# Altium PCB pcb.PcbDoc
Units mm, origin at the board's own origin, x right, y up, seen from the top; angles counter-clockwise.
Board outline 21 x 26.75 mm, 2 copper layers (Top Layer, Bottom Layer), stack 1.27 mm thick; 25 components, 14 nets, 55 pads, 5 vias.
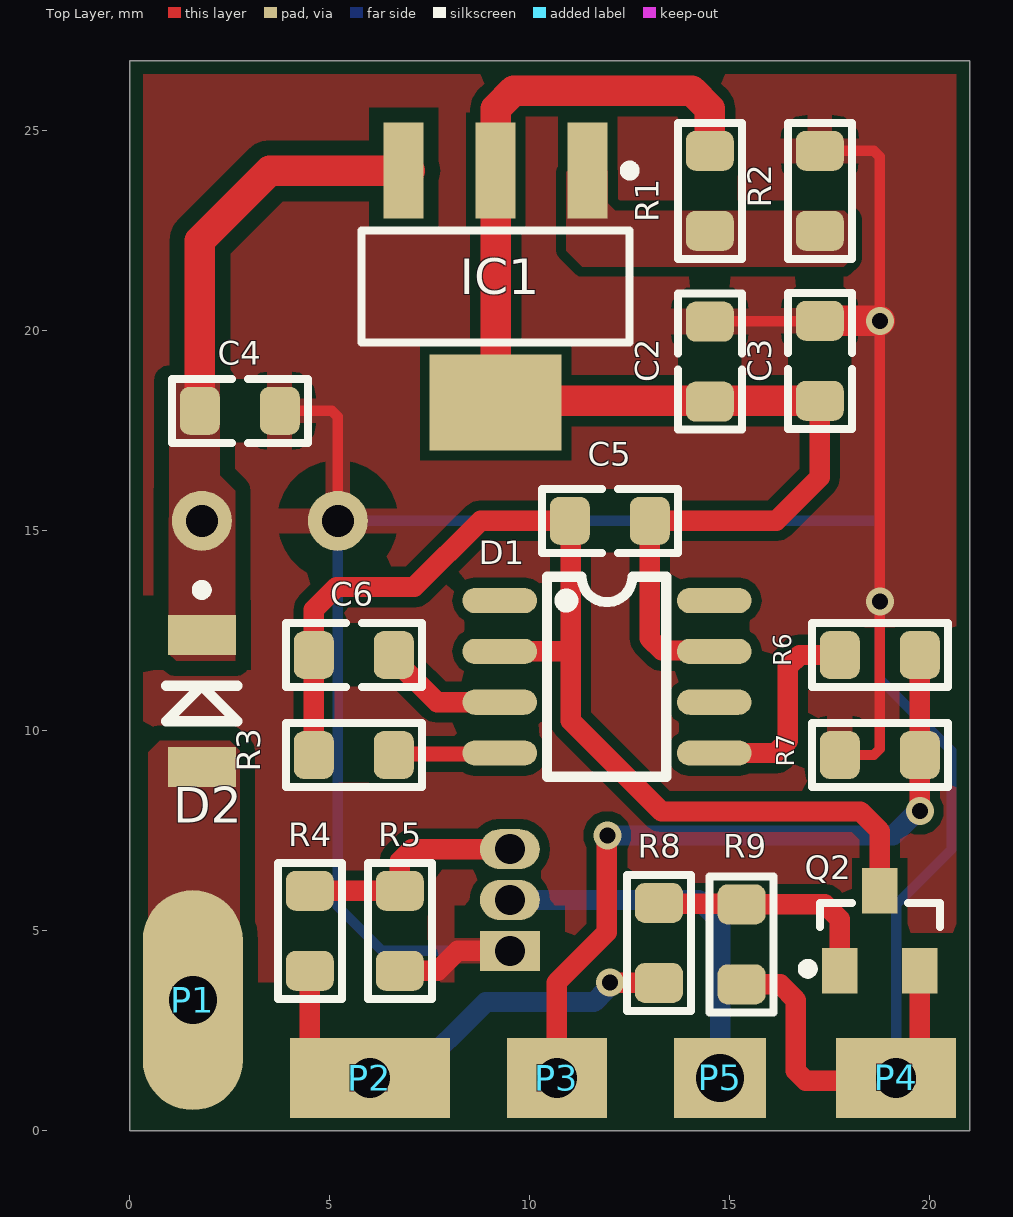
[diagram p0: Top Layer view]
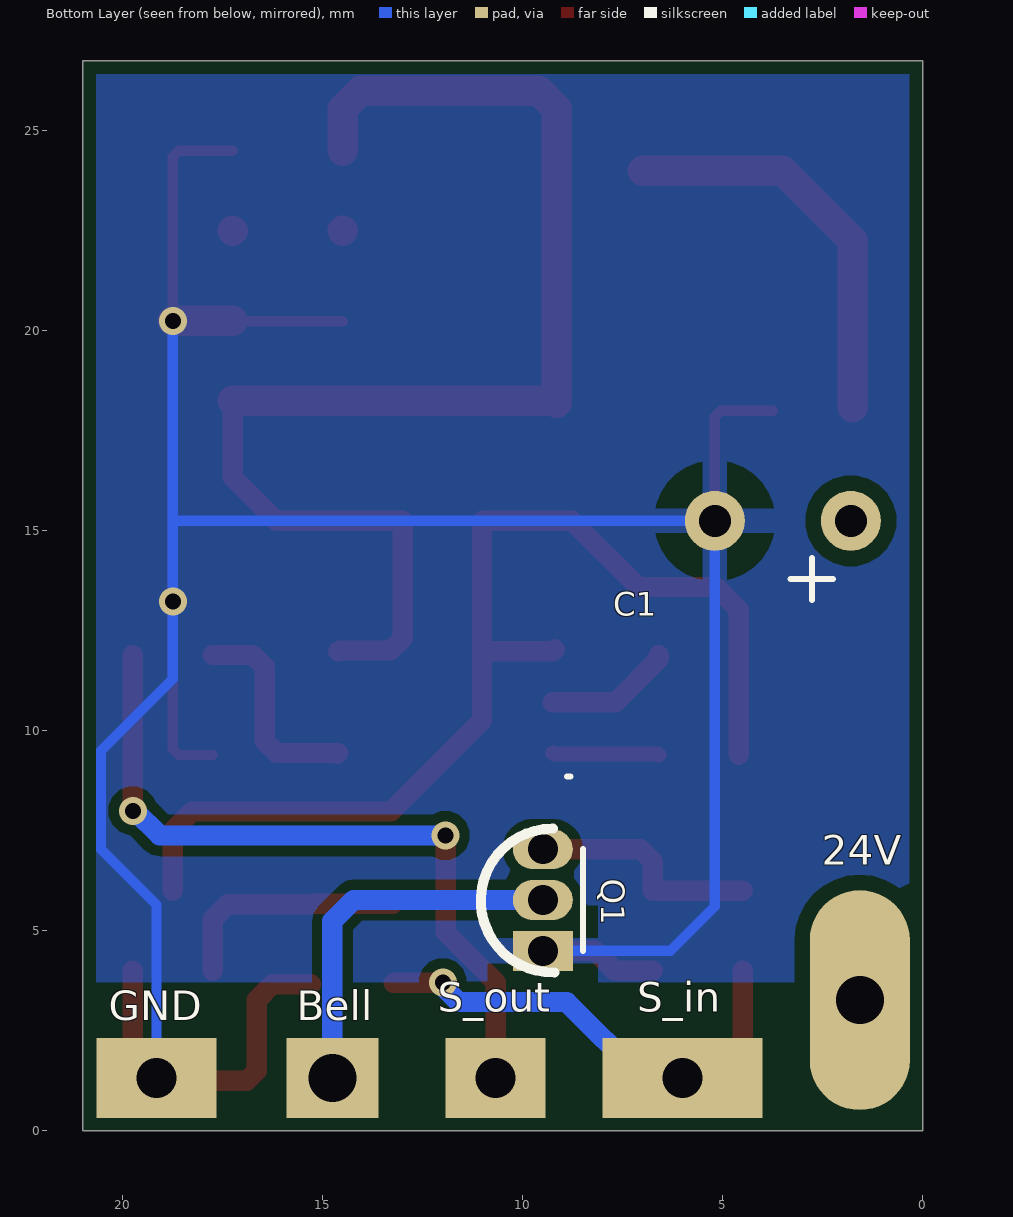
[diagram p1: Bottom Layer view, seen from below]
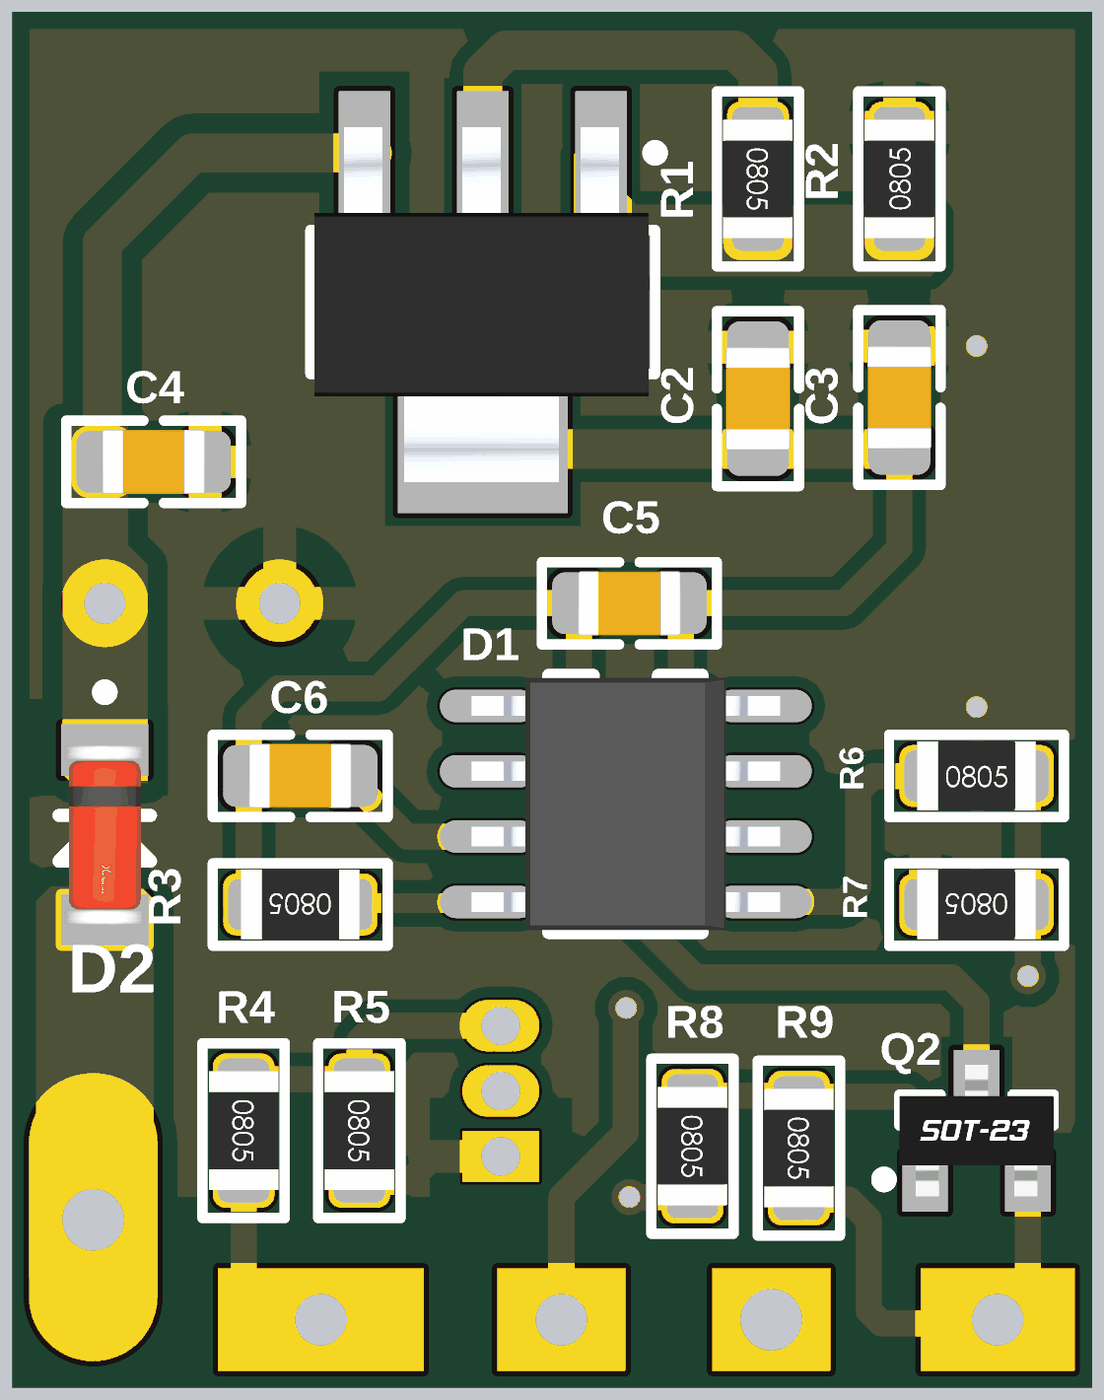
[diagram p2: 3D render of the assembled board from above, using the file's embedded part models]

## Layer stack, top to bottom
Top Solder: solder mask 0.01, Solder Resist, Dk 3.5
Top Layer: signal copper 0.035
Dielectric 1: dielectric 1.2, FR-4, Dk 4.8
Bottom Layer: signal copper 0.035
Bottom Solder: solder mask 0.01, Solder Resist, Dk 3.5

## Board outline
0,0 0,26.75 21,26.75 21,0

## Design rules (kind name [scope] priority, off if disabled: settings)
Clearance +24V [InNet('+24')] p1: gap=0.254 ignorepadtopadclearanceinfootprint=TRUE except(0.381: Arc-Poly Track-Poly SMDPad-Poly THPad-Poly Via-Poly Fill-Poly Poly-Poly)
Clearance NetC1 [InNet('NetC1_1')] p2: gap=0.254 ignorepadtopadclearanceinfootprint=TRUE except(0.381: Arc-Poly Track-Poly SMDPad-Poly THPad-Poly Via-Poly Fill-Poly Poly-Poly)
Clearance [All] p3: gap=0.254 ignorepadtopadclearanceinfootprint=TRUE
Height [All] p1: minheight=0 maxheight=40 prefheight=12.7
HoleSize [All] p1: absolutevalues=TRUE maxlimit=6 minlimit=0.1 maxpercent=80.000 minpercent=20.000
MinimumSolderMaskSliver [All] p1: minsoldermaskwidth=0.025
PlaneConnect [All] p1: planeconnectstyle=Relief reliefexpansion=0.508 reliefentries=4 reliefconductorwidth=0.889 reliefairgap=0.254
PolygonConnect [All] p1: thpad.connectstyle=Relief thpad.reliefconductorwidth=0.635 thpad.reliefentries=4 thpad.polygonreliefangle="90 Angle" thpad.airgapwidth=0.762 smdpad.connectstyle=Relief smdpad.reliefconductorwidth=0.635 smdpad.reliefentries=4 smdpad.polygonreliefangle="90 Angle" smdpad.airgapwidth=0.381 via.connectstyle=Relief via.reliefconductorwidth=0.635 via.reliefentries=4 via.polygonreliefangle="90 Angle" via.airgapwidth=0.381
RoutingVias [All] p1: holewidth=0.4 width=0.7 viastyle="Through Hole" minholewidth=0.3 minwidth=0.6 maxholewidth=1 maxwidth=2.5
SilkToSilkClearance [All] p1: silktosilkclearance=0.025
SilkToSolderMaskClearance [IsPad] p1: minsilkscreentomaskgap=0 clearancetoexposedcopper=TRUE
SolderMaskExpansion [All] p1: expansion=0.102 istentingtop=FALSE
SupplyNets "Schematic Supply Nets_3" [InNet('+13V')] p1: voltage=0.000
SupplyNets "Schematic Supply Nets_2" [InNet('GND')] p2: voltage=0.000
SupplyNets "Schematic Supply Nets_1" [InNet('+24')] p3: voltage=0.000
UnRoutedNet [All] p1: checkbadconnections=TRUE
Width [All] p1: maxlimit=0.762 minlimit=0.254 preferedwidth=0.508
23 further rules are at their usual default settings.

## Components (designator, comment, footprint, x,y, rotation, side; value= is the part's Value field where it differs from the comment)
C1 "220uF/35V" C8X12mm 3.5,15.25 r0 bottom
C2 "10uF/25V" C_0805_SMD 14.5,19.228 r270 top
C3 "104" C_0805_SMD 17.25,19.25 r270 top
C4 "104" C_0805_SMD 2.75,18 r180 top
C5 "10uF/50V" C_0805_SMD 12,15.25 r0 top
C6 "104" C_0805_SMD 5.601,11.894 r0 top
D1 "LS1240AG-SO8-R_1" LS1240AG-SO8-R 11.93,11.35 r270 top
D2 "LL4148" SOD80C_MFG 1.8,10.746 r270 top
IC1 "LM317G" SOT223-4N 9.149,21.106 r270 top
P1 "Pad 1.5mm" "Pad 1.5mm 3mm"#1 1.575,3.266 r0 top
P2 "Pad 1.5mm" "Pad 1.5mm 3mm"#2 6.002,1.325 r0 top
P3 "Pad 1.5mm" "Pad 1.5mm 3mm"#3 10.677,1.325 r0 top
P4 "Pad 1.5mm" "Pad 1.5mm 3mm"#4 19.16,1.325 r0 top
P5 "Pad 1.5mm" "Pad 1.5mm 3mm"#5 14.76,1.325 r0 top
Q1 "2SC2655" 2SC2655 9.664,5.77 r90 bottom
Q2 "C1815" "SOT23_N NXP" 18.75,5 r90 top
R1 "2.4K" RES-SMD-0805 14.5,23.5 r270 top
R2 "220R" RES-SMD-0805 17.25,23.5 r90 top
R3 "14k" RES-SMD-0805 5.601,9.394 r180 top
R4 "470R" RES-SMD-0805 4.5,5 r270 top
R5 "10K" RES-SMD-0805 6.75,5 r270 top
R6 "39K" RES-SMD-0805 18.75,11.894 r0 top
R7 "22K" RES-SMD-0805 18.75,9.394 r180 top
R8 "470R" RES-SMD-0805 13.227,4.696 r270 top
R9 "10K" RES-SMD-0805 15.296,4.66 r270 top

## Footprints (in the part's own frame and the unit in brackets; to place one, negate y for a bottom-side part, rotate by r counter-clockwise, add the part's x,y. Pads: shape width x height; smd on the part's side, far side on the other; paste and mask are expansions set on the pad)
2SC2655 [mm]
  rect 1x1.5 hole 0.75 paste-2539.97 mask+0.051: 1(-1.27,-0.164)
  oval 1x1.5 hole 0.75 paste-2539.97 mask+0.051: 2(0,-0.164) 3(1.27,-0.164)
  body extent -2.54,-9.65 2.28,8.38, height 4.34
C8X12mm [mm] "Cap Elec, D8.0X12.0H pitch: 3.5mm, RB.14/.26, RB.15/.32"
  round 1.5 hole 0.8: 1(-1.7,0) 2(1.7,0)
  body extent -3.99,-3.99 4,3.99, height 12.3
C_0805_SMD [mm]
  rrect50% 1x1.2 smd: 1(-1,0) 2(1,0)
  Top Layer pour cut-out: -0.5,0.8 0.5,0.8 0.5,-0.8 -0.5,-0.8
  silkscreen extent -1.7,-0.8 1.7,0.8, body extent -1,-0.63 1,0.62, height 1
LS1240AG-SO8-R [mm]
  oval 0.63x1.865 smd paste+0 mask+0.051: 1(-1.905,-2.682) 2(-0.635,-2.682) 3(0.635,-2.682) 4(1.905,-2.682) 5(1.905,2.682) 6(0.635,2.682) 7(-0.635,2.682) 8(-1.905,2.682)
  silkscreen extent -2.5,-1.5 2.5,1.48, body extent -2.45,-3 2.45,3, height 1.75
"Pad 1.5mm 3mm"#1 [mm]
  oval 2.5x5.5 hole 1.2: 1(0,0)
"Pad 1.5mm 3mm"#2 [mm]
  rect 4x2 hole 1: 1(0,0)
"Pad 1.5mm 3mm"#3 [mm]
  rect 2.5x2 hole 1: 1(0,0)
"Pad 1.5mm 3mm"#4 [mm]
  rect 3x2 hole 1: 1(0,0)
"Pad 1.5mm 3mm"#5 [mm]
  rect 2.3x2 hole 1.2: 1(0,0)
RES-SMD-0805 [mm]
  rrect50% 1x1.2 smd paste-0.1 mask+0.075: 1(-1,0) 2(1,0)
  Top Layer pour cut-out: -0.5,0.697 0.5,0.697 0.5,-0.713 -0.5,-0.713
  silkscreen extent -1.7,-0.8 1.7,0.8, body extent -1.15,-0.67 1.15,0.67, height 0.76
SOD80C_MFG [mm]
  rect 1x1.7 smd: 1(-1.65,0) 2(1.65,0)
  silkscreen extent -2.9,-0.89 0.51,0.89, body extent -1.75,-0.8 1.75,0.8, height 1.6
"SOT23_N NXP" [mil] "SOT23, 3-Leads, Body 3x1.4mm, Pitch 0.95mm, IPC Medium Density"
  rect 45x35 smd: 1(-39.37,39.37) 2(-39.37,-39.37) 3(39.37,0)
  silkscreen extent -42,-59 28,76, body extent -50,-59 50,59, height 39
SOT223-4N [mm] "SOT223, 4-Leads, Body 6.5x3.5mm, Pitch 2.3mm, Lead Span 7mm, IPC Medium Density"
  rect 2.4x1 smd: 1(-2.9,2.3) 2(-2.9,0) 3(-2.9,-2.3)
  rect 2.4x3.3 smd: 4(2.9,0)
  silkscreen extent -3.02,-3.35 1.4,3.48, body extent -3.39,-3.27 3.5,3.23, height 1.72

## Part data
C1: library part "Cap Pol 220uF/35V", "Polarized Capacitor (Axial) 220uF 35V", Code=1402-228
C2: library part "Cap 0805 10uF 25V", "Cap SMD 0805 10uF", Code=1436-100
C3 C4 C6: library part "Cap 0805 104 100nF", "Cap SMD 0805 104-100nF-0.1uF 50V", Code=1438-080
C5: library part "Cap 0805 10uF 50V", "Cap SMD 0805 10uF 50V", Code=1438-100
D2: "0.2A, 100V, SOD80", Code=2001-012, Designed by=Nhox
IC1: "HIGH CURRENT 1.3V TO 37V ADJUSTABLE VOLTAGE REGULATOR", Code=N/A, Designed by=TranLuyen
P1 P2 P3 P4 P5: library part "Pad 1.5mm 3mm"
Q2: library part "C1815 SMD SOT-23", "NPN SMD Transistor SOT23", Code=1701-077
R1: library part "Res 2.4k 0805", "Resistor SMD 0805", Code=1025-201
R2: library part "Res 220R 0805", "Resistor SMD 0805", Code=1025-071
R3: library part "Res 13K 0805", "Resistor SMD 0805, 14k Ohm", Code=1025-361
R4 R8: library part "Res 470R 0805", "Resistor SMD 0805", Code=1024-078
R5 R9: library part "Res 10k 0805", "Resistor SMD 0805", Code=1024-111
R6: library part "Res 39K 0805", "Resistor SMD 0805", Code=1024-126
R7: library part "Res 22K 0805", "Resistor SMD 0805", Code=1024-120

## Via types
v1: diameter 0.7, hole 0.4, Top Layer to Bottom Layer, tented both sides, 5 vias

## Nets (pads, with @x,y where several pads share a name; then routed paths per layer and width w, separated by ;. In a path a pad name is that pad's centre, name@x,y a point inside that pad or via, vN(x,y) a via of type N, cw(c..) or ccw(c..) an arc to the next point about the centre after c; other vN are vias at no path point)
+13V: C2.2 C3.2 C5.2 D1.7 IC1.2 IC1.4 R1.1 | length 33.5
  Top Layer w0.508: D1.7 14.589,12.008 13.298,12.008 13,12.306 C5.2 16.165,15.25 17.25,16.335 C3.2
  Top Layer w0.762: R1.1 14.5,25.554 14.054,26 9.596,26 9.149,25.554 IC1.2 IC1.4 9.194,18.25 C3.2
+24: D2.2 P1.1
GND: C1.2 C2.1 C3.1 C4.1 P4.1 Q1.1 Q2.2 R2.2 R5.2 R7.2 R9.2 | length 85.8
  Top Layer w0.254: C4.1 5.051,18 5.2,17.851 C1.2 ; C2.1 14.511,20.239 17.239,20.239 C3.1 ; R2.2@17.25,24.5 18.601,24.5 18.75,24.351 v1(18.75,20.25) 18.75,9.543 18.601,9.394 R7.2
  Top Layer w0.508: R5.2 7.701,4 8.201,4.5 Q1.1 ; R9.2 16.259,3.66 16.65,3.269 16.65,1.5 16.9,1.25 19.085,1.25 P4.1 19.75,1.915 Q2.2
  Top Layer w0.762: C3.1 v1(18.75,20.25)
  Bottom Layer w0.254: Q1.1 6.305,4.5 5.2,5.605 C1.2 18.75,15.25 ; v1(18.75,20.25) 18.75,15.25 ; P4.1 19.16,5.656 20.544,7.04 20.544,9.5 18.75,11.294 18.75,15.25
  other v1: 18.75,13.232
GND_Chip: C5.1 C6.1 D1.2 Q2.3 R3.2 | length 28.1
  Top Layer w0.508: R3.2 4.601,13.027 5.169,13.595 7.115,13.595 8.77,15.25 C5.1 ; D1.2@9.194,12.039 D1.2 11.022,11.985 ; C5.1@11.022,15.228 11.022,11.985 ; Q2.3 18.75,7.496 18.264,7.982 13.291,7.982 11.022,10.252 11.022,11.985
NetC1_1: C1.1 C4.2 D2.1 IC1.3 | length 10.1
  Top Layer w0.762: C4.2@1.75,18.092 1.75,22.25 3.5,24 IC1.3@7,24
NetC6_2: C6.2 D1.3 | length 3.2
  Top Layer w0.508: C6.2 6.601,11.794 7.681,10.715 D1.3
NetD1_4: D1.4 R3.1 | length 2.7
  Top Layer w0.381: R3.1 6.626,9.419 9.223,9.419 D1.4
NetD1_5: D1.5 R6.1 | length 5.3
  Top Layer w0.508: D1.5@14.634,9.424 D1.5 16.152,9.445 16.45,9.742 16.45,11.597 16.748,11.894 R6.1
NetIC1_1: IC1.1 R1.2 R2.1 | length 0
NetP5_1: P5.1 Q1.2 | length 9.4
  Top Layer w0.508: Q1.2 Q1.2@9.51,5.76
  Bottom Layer w0.508: Q1.2 14.226,5.77 14.76,5.236 P5.1
NetQ1_3: Q1.3 R4.1 R5.1 | length 5.9
  Top Layer w0.508: R4.1 R5.1 6.75,6.742 7.048,7.04 Q1.3
NetQ2_1: Q2.1 R8.1 R9.1 | length 6
  Top Layer w0.508: R8.1 13.245,5.678 15.278,5.678 R9.1 17.379,5.66 17.75,5.289 Q2.1
Signal_IN: P2.1 R4.2 R8.2 | length 12
  Top Layer w0.508: R4.2 4.5,2.071 5.246,1.325 P2.1 ; v1(12,3.709) 12.006,3.703 13.22,3.703 R8.2
  Bottom Layer w0.508: P2.1 7.002,1.325 8.896,3.218 11.606,3.218 11.904,3.516 11.904,3.561 12,3.657 v1(12,3.709)
Signal_OUT: P3.1 R6.2 R7.1 | length 18.5
  Top Layer w0.508: P3.1 10.677,3.709 11.927,4.959 v1@11.927,7.394 ; v1(19.75,8) R7.1 R6.2
  Bottom Layer w0.508: v1(11.937,7.384) 19.082,7.384 19.698,8 v1(19.75,8)
pads on no net: D1.1 D1.6 D1.8

## Polygon pours and split planes (outlines as drawn)
GND on Top Layer "GND_L01_P003" (solid, pour order 3): 0,26.738 0.012,26.75 21,26.75 21,3.709 20.451,3.709 0,3.709 0,26.713
NetIC1_1 on Top Layer "NETIC1_1_L01_P002" (solid, pour order 2): 10.914,22 11.309,21.606 17.856,21.606 18.05,21.8 18.05,22.806 17.856,23 12.136,23 11.949,23.187 11.949,24.006 10.949,24.006 10.914,23.971
NetC1_1 on Top Layer "NETC1_1_L01_P001" (solid, pour order 1): 2.636,16 2.25,16.386 2.25,18.75 0.984,18.75 0.976,11.75 2.636,11.75
+24 on Top Layer "+24_L01_P000" (solid, pour order 0): 2.5,9.75 2.75,9.5 2.75,1.5 2,0.75 1.25,0.75 0.25,1.75 0.25,9.25 0.75,9.75
GND on Bottom Layer "GND_L02_P005" (solid, pour order 5): 0,26.738 0.012,26.75 21,26.75 21,3.709 20.451,3.709 0,3.709 0,26.713

## Silkscreen, mask and mechanical layers (free items; w line width, h text height)
Bottom Overlay:
  lines w0.15: 2.25,13.796 3.301,13.796 ; 2.776,13.271 2.776,14.322 ; 8.489,4.5 8.489,7.04 ; 8.809,8.851 8.896,8.851
  lines w0.254: 9.21,3.956 ccw(c9.252,5.755) 9.25,7.554
  text "24V" at 2.528,6.4 h1.27
  text "S_in" at 7.143,2.724 h1.27
  text "S_out" at 12.12,2.724 h1.27
  text "Bell" at 15.646,2.513 h1.27
  text "GND" at 20.35,2.515 h1.27
Mechanical 1:
  the board outline again, w0.15
Top 3D Body:
  circle w0.254: c14.76,1.325 r1.294